# Altium PCB PCB1.PcbDoc (part 1 of 3)
Units mil, origin at the board's own origin, x right, y up, seen from the top; angles counter-clockwise.
Board outline 6000 x 4000 mil, 4 copper layers (Top Layer, Mid-Layer 1, Mid-Layer 2, Bottom Layer); 368 components, 202 nets, 969 pads, 330 vias.
Unrouted connection lines stored in the file: 67.
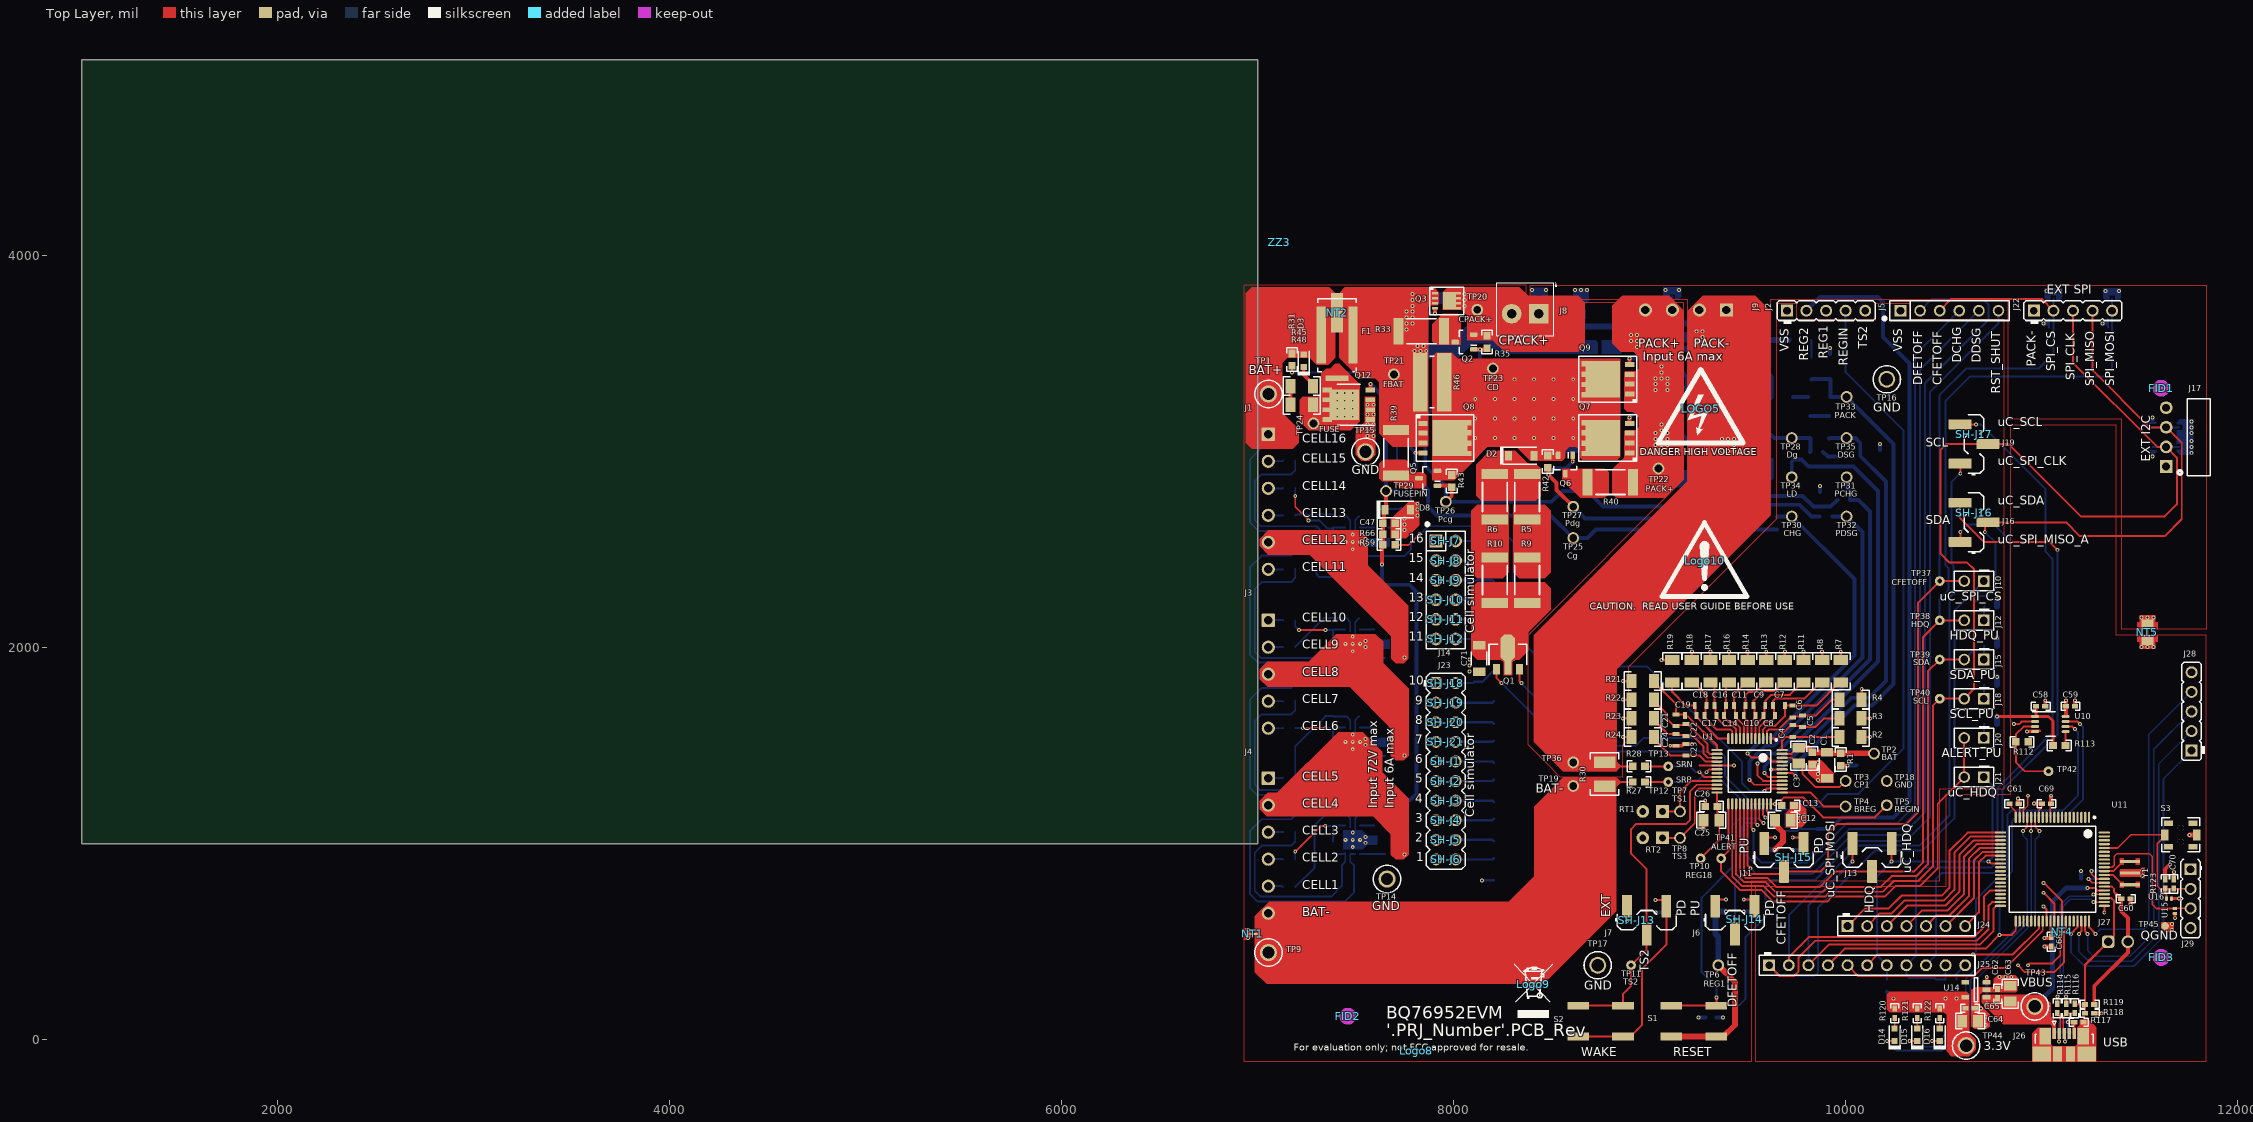
[diagram p0: Top Layer view]
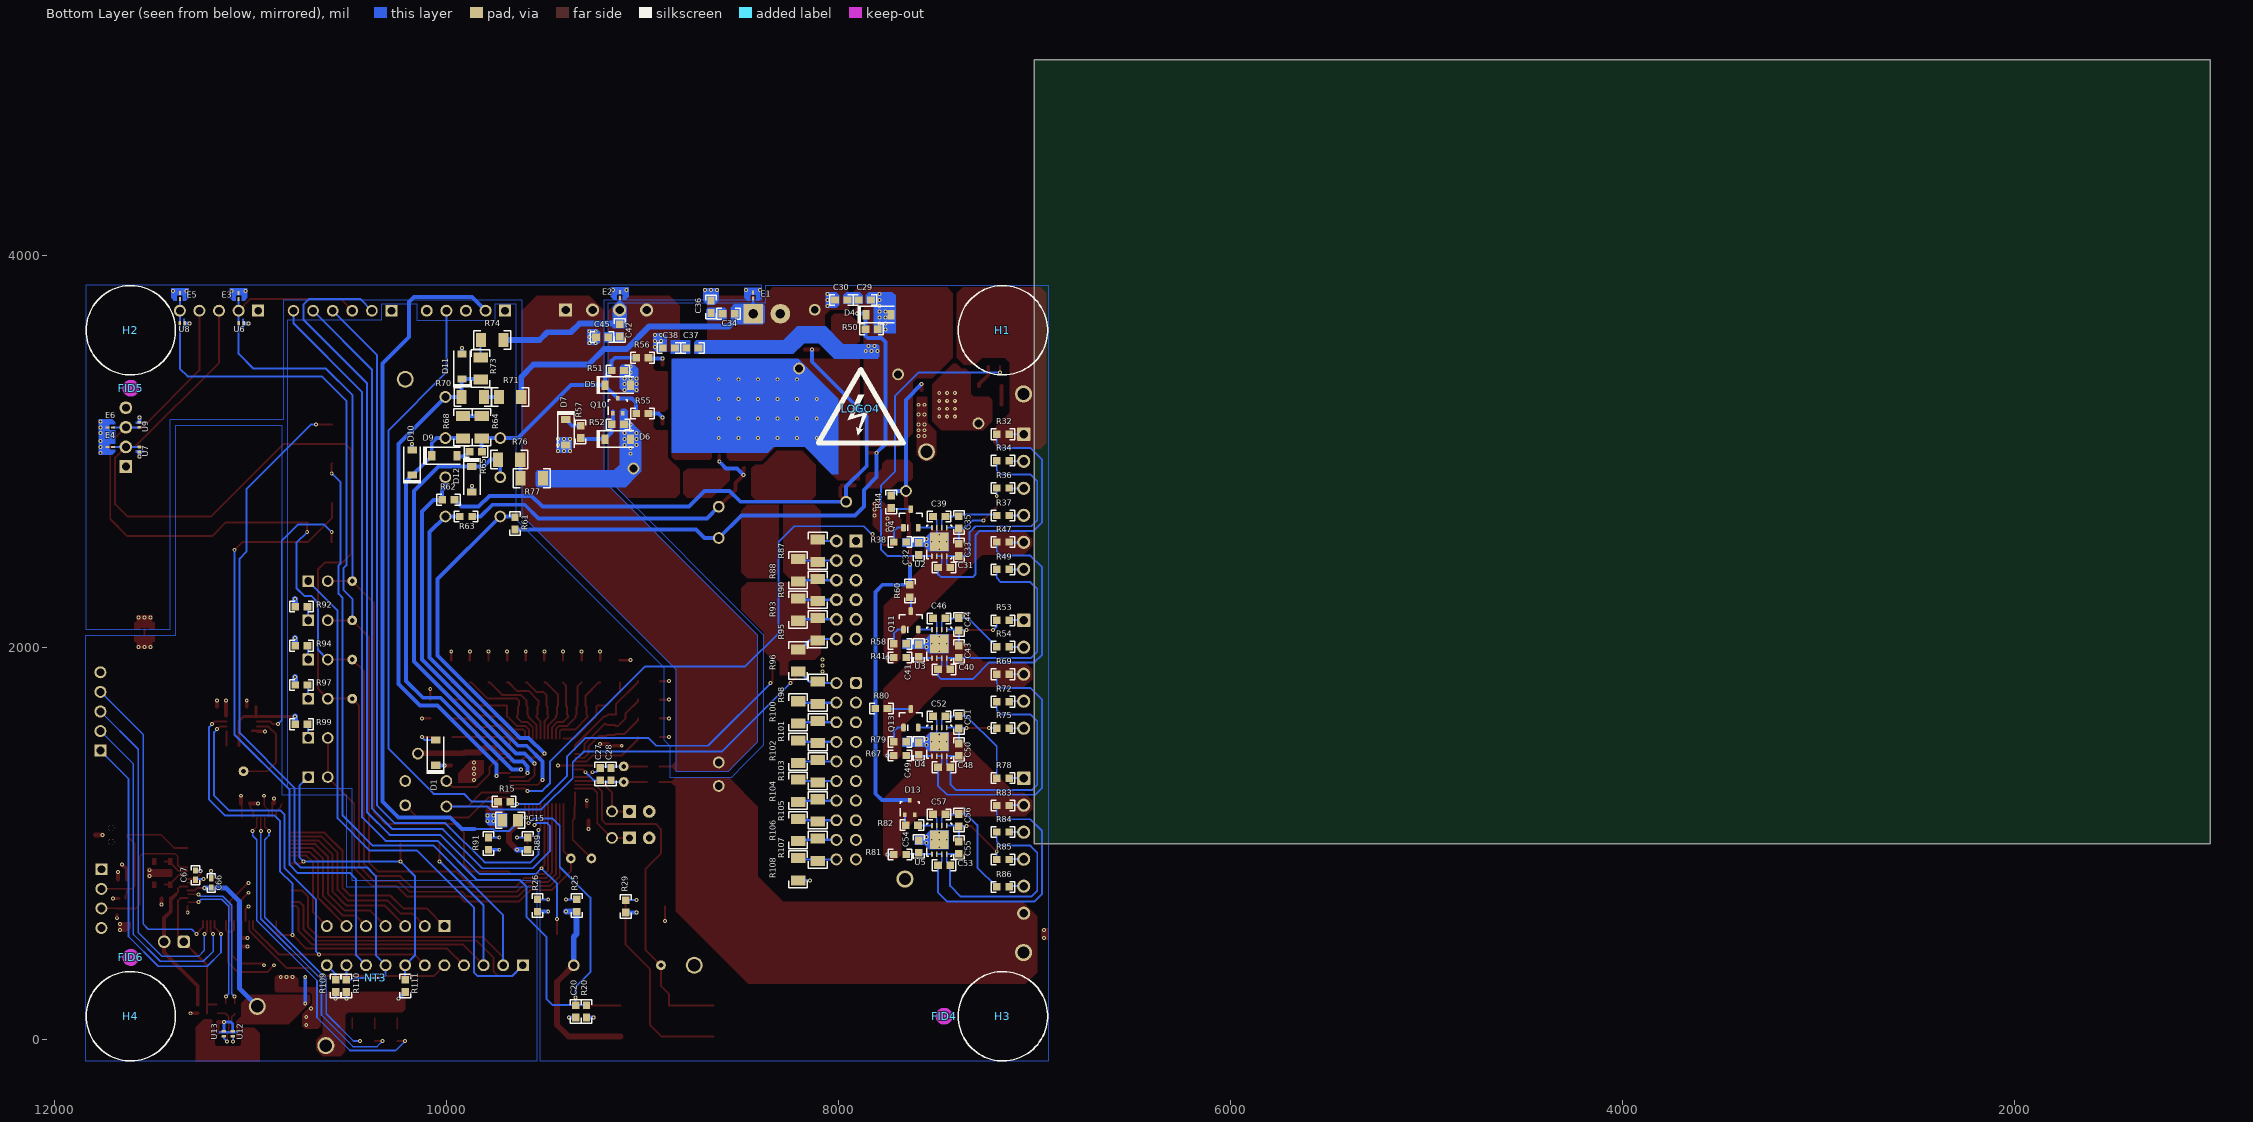
[diagram p1: Bottom Layer view, seen from below]
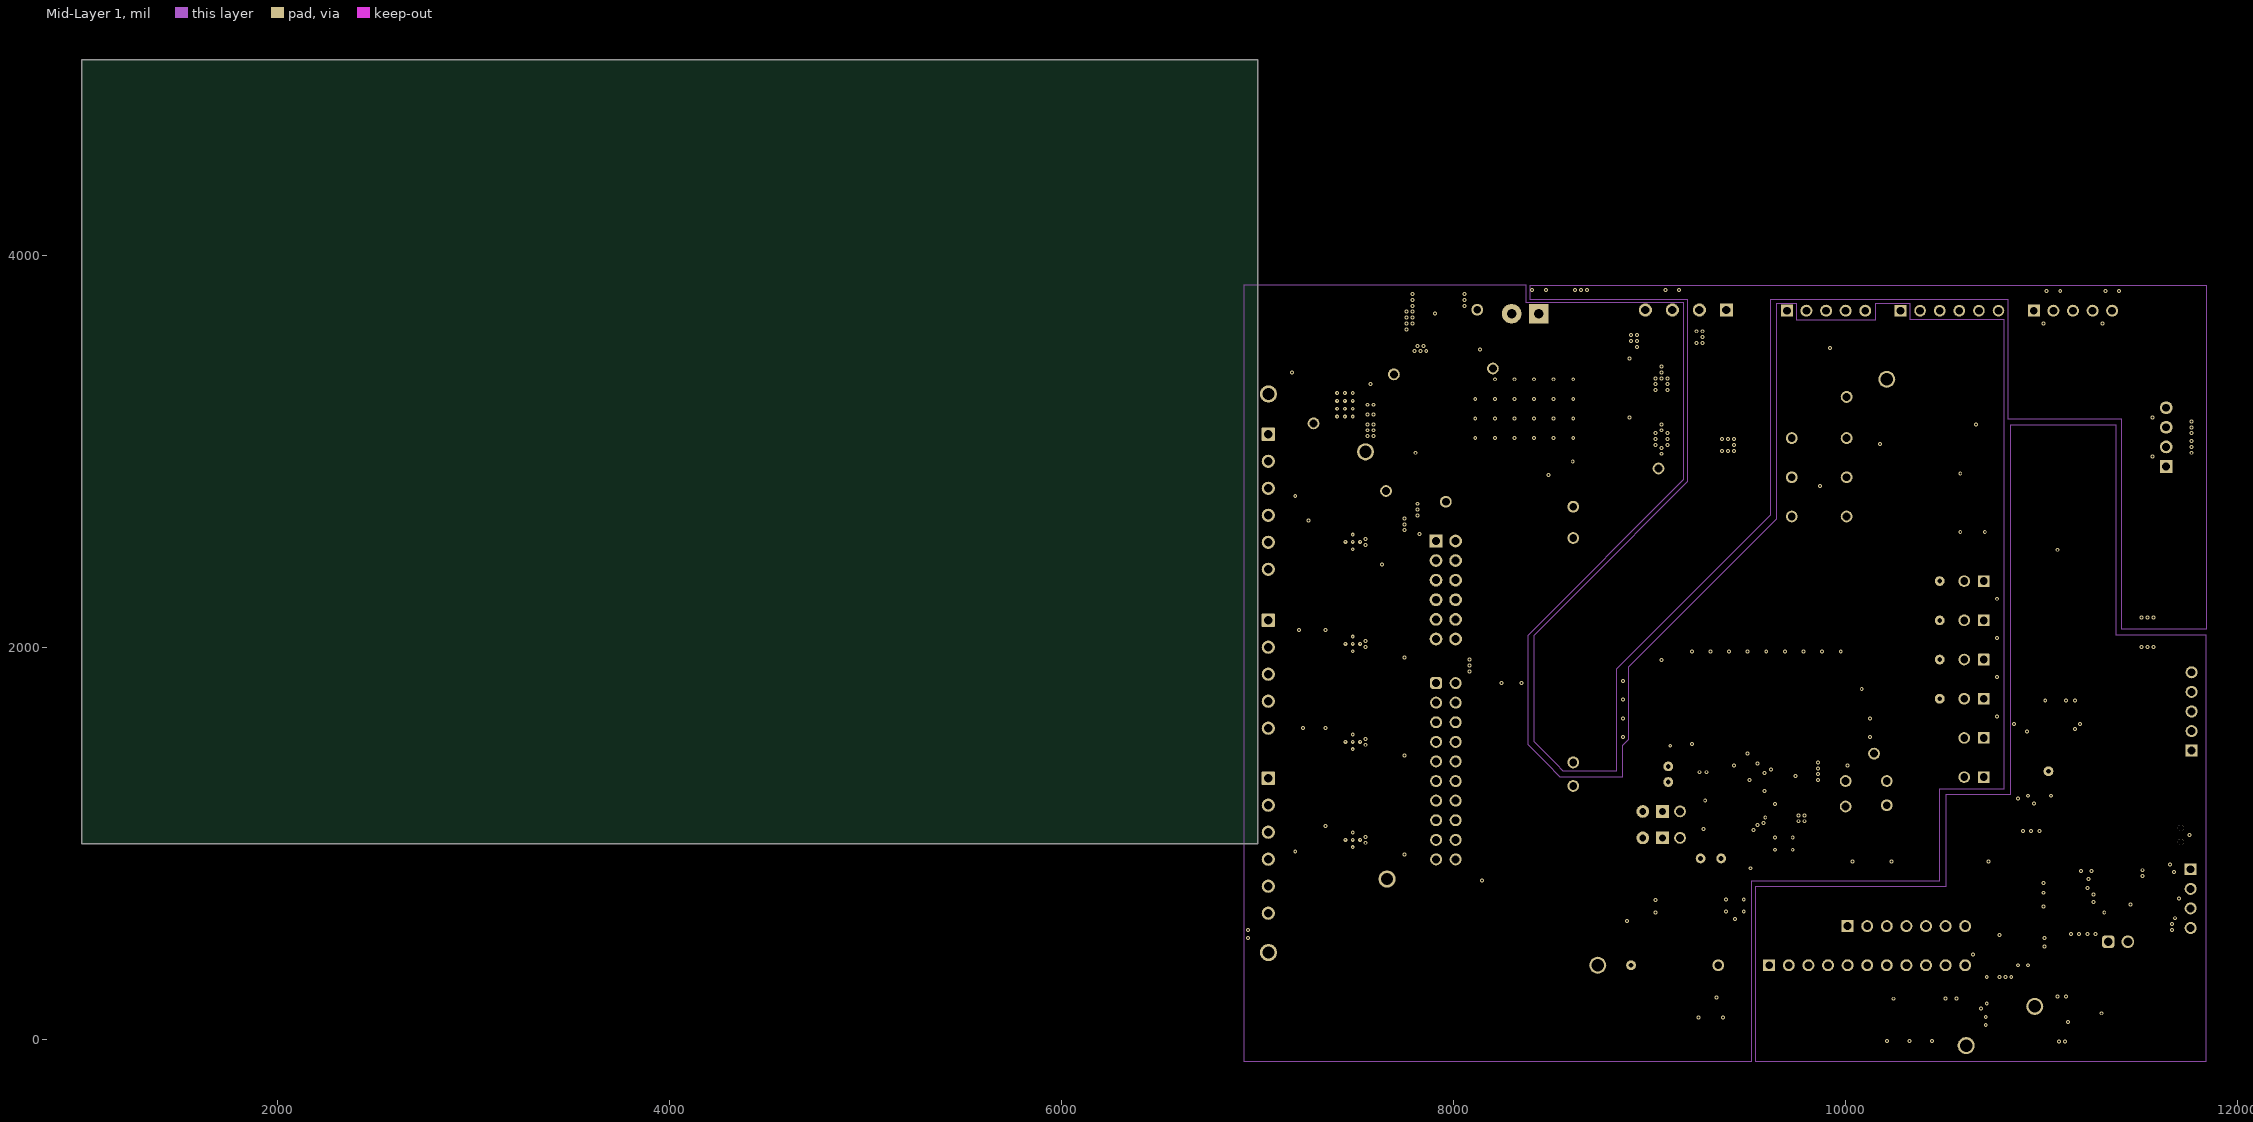
[diagram p2: Mid-Layer 1]
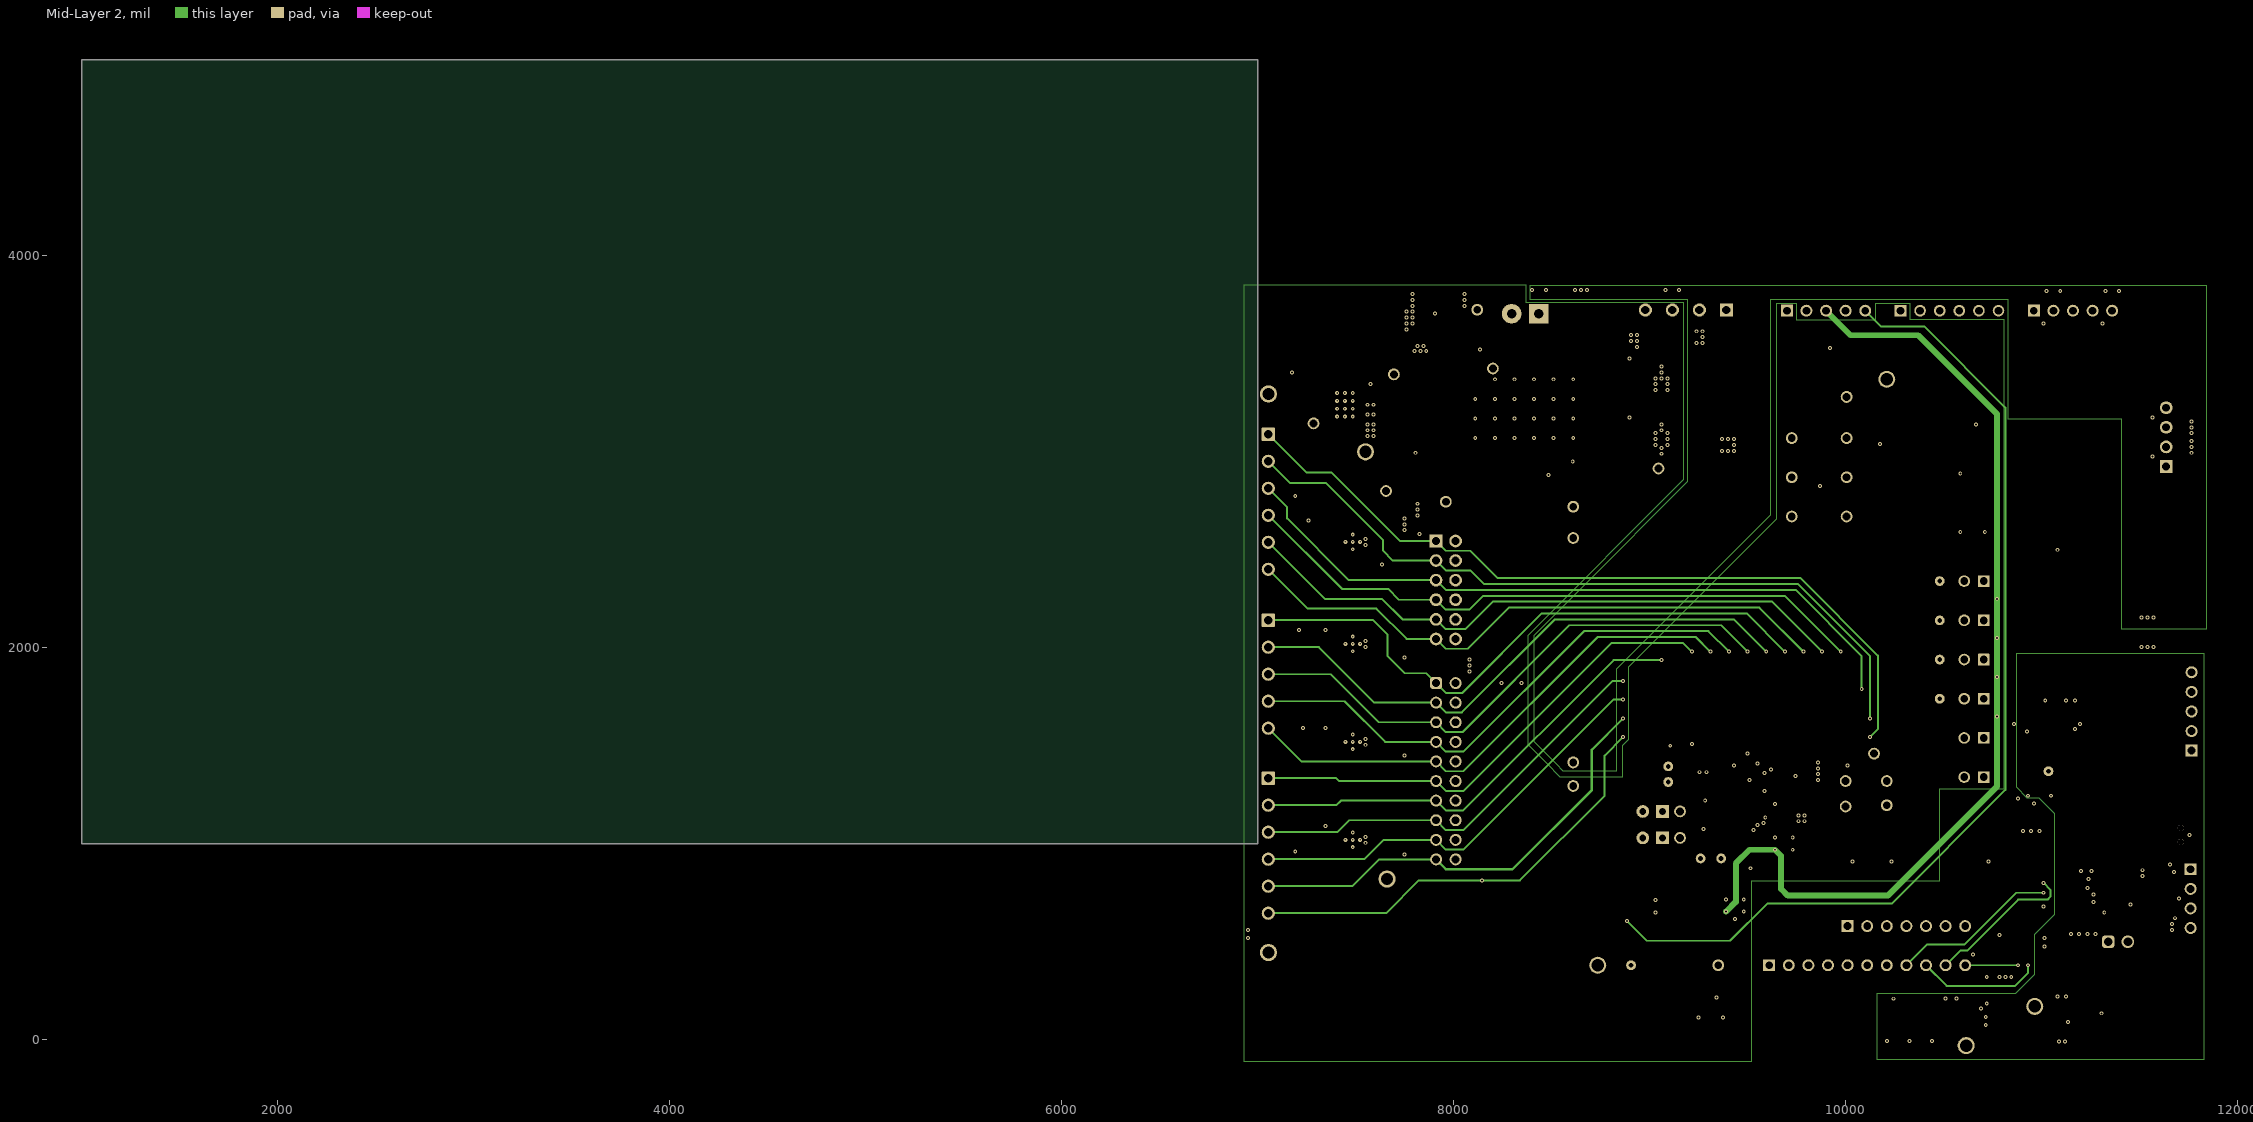
[diagram p3: Mid-Layer 2]

## Layer stack, top to bottom
Top Solder: solder mask 0.4, Solder Resist, Dk 3.5
Top Layer: signal copper 1.4
Dielectric 1: dielectric 12.6, FR-4, Dk 4.8
Mid-Layer 1: signal copper 1.4
Dielectric3: dielectric 12.6, FR-4, Dk 4.8
Mid-Layer 2: signal copper 1.4
Dielectric2: dielectric 12.6, FR-4, Dk 4.8
Bottom Layer: signal copper 1.4
Bottom Solder: solder mask 0.4, Solder Resist, Dk 3.5

## Board outline
1000,1000 7000,1000 7000,5000 1000,5000

## Design rules (kind name [scope] priority, off if disabled: settings)
Clearance [All] p1: gap=10 ignorepadtopadclearanceinfootprint=FALSE except(0: Arc-Hole Track-Hole SMDPad-Hole THPad-Hole Via-Hole Fill-Hole Poly-Hole Region-Hole Text-Hole)
PolygonConnect [All] p1: connectstyle=Relief reliefconductorwidth=10 reliefentries=4 polygonreliefangle="90 Angle" airgapwidth=10
RoutingVias [All] p1: holewidth=28 width=50 viastyle="Through Hole" minholewidth=28 minwidth=50 maxholewidth=28 maxwidth=50
SolderMaskExpansion [All] p1: expansion=4 istentingtop=FALSE
Width [All] p1: maxlimit=10 minlimit=10 preferedwidth=10
30 further rules are at their usual default settings.

## Classes and differential pairs
component class Shunt: SH-J1 SH-J2 SH-J3 SH-J4 SH-J5 SH-J6 SH-J7 SH-J8 SH-J9 SH-J10 SH-J11 SH-J12 SH-J13 SH-J14 SH-J15 SH-J16 SH-J17 SH-J18 SH-J19 SH-J20 SH-J21
component class Header: J2 J5 J6 J7 J10 J11 J12 J13 J14 J15 J16 J18 J19 J20 J21 J22 J23 J24 J25 J27 J28 J29
component class FiducialMark: FID1 FID2 FID3 FID4 FID5 FID6
component class BMS029B_PinConfig: E3 E4 E5 E6 J10 J11 J12 J13 J14 J15 J16 J17 J18 J19 J20 J21 J22 J23 R87 R88 R89 R90 R91 R92 R93 R94 R95 R96 R97 R98 R99 R100 R101 R102 R103 R104 R105 R106 R107 R108 TP37 TP38 TP39 TP40 TP41 U6 U7 U8 U9
component class BMS029B_Monitor: C1 C2 C3 C4 C5 C6 C7 C8 C9 C10 C11 C12 C13 C14 C15 C16 C17 C18 C19 C20 C21 C22 C23 C24 C25 C26 C27 C28 C71 D1 D2 J1 J2 J3 J4 J5 J6 J7 NT1 Q1 R1 R2 R3 R4 R5 R6 R7 R8 R9 R10 R11 R12 R13 R14 R15 R16 R17 R18 R19 R20 R21 R22 R23 R24 R25 R26 R27 R28 R29 R30 RT1 RT2 S1 S2 TP1 TP2 TP3 TP4 TP5 TP6 TP7 TP8 TP9 TP10 TP11 TP12 TP13 TP14 TP15 TP16 TP17 TP18 TP19 U1
component class BMS029B_Interface: C58 C59 C60 C61 C62 C63 C64 C65 C66 C67 C68 C69 C70 D14 D15 D16 J24 J25 J26 J27 J28 J29 NT3 NT4 NT5 R109 R110 R111 R112 R113 R114 R115 R116 R117 R118 R119 R120 R121 R122 R123 S3 TP42 TP43 TP44 TP45 U10 U11 U12 U13 U14 U15 U16 Y1
component class BMS029B_Hardware: !PCB1 FID1 FID2 FID3 FID4 FID5 FID6 H1 H2 H3 H4 LOGO4 LOGO5 Logo8 Logo9 Logo10 SH-J1 SH-J2 SH-J3 SH-J4 SH-J5 SH-J6 SH-J7 SH-J8 SH-J9 SH-J10 SH-J11 SH-J12 SH-J13 SH-J14 SH-J15 SH-J16 SH-J17 SH-J18 SH-J19 SH-J20 SH-J21 ZZ1 ZZ2 ZZ3
component class BMS029B_FETs: C29 C30 C31 C32 C33 C34 C35 C36 C37 C38 C39 C40 C41 C42 C43 C44 C45 C46 C47 C48 C49 C50 C51 C52 C53 C54 C55 C56 C57 D3 D4 D5 D6 D7 D8 D9 D10 D11 D12 D13 E1 E2 F1 J8 J9 NT2 Q2 Q3 Q4 Q5 Q6 Q7 Q8 Q9 Q10 Q11 Q12 Q13 R31 R32 R33 R34 R35 R36 R37 R38 R39 R40 R41 R42 R43 R44 R45 R46 R47 R48 R49 R50 R51 R52 R53 R54 R55 R56 R57 R58 R59 R60 R61 R62 R63 R64 R65 R66 R67 R68 R69 R70 R71 R72 R73 R74 R75 R76 R77 R78 R79 R80 R81 R82 R83 R84 R85 R86 TP20 TP21 TP22 TP23 TP24 TP25 TP26 TP27 TP28 TP29 TP30 TP31 TP32 TP33 TP34 TP35 TP36 U2 U3 U4 U5
component class AssemblyNote: ZZ1 ZZ2 ZZ3

## Components (designator, comment, footprint, x,y, rotation, side; value= is the part's Value field where it differs from the comment)
C1 "C3216X7R2A105K160AA" 1206_180 9905,1400 r270 top value=1uF
C2 "GCM1885C2A101JA16D" 0603 9830,1435 r270 top value=100pF
C3 "GCM219R71E474KA55D" 0805_HV 9760,1450 r270 top value=0.47uF
C4 "C1608X7R1H224K080AB" 0603S 9730,1575 r90 top value=0.22uF
C5 "C1608X7R1H224K080AB" 0603S 9780,1625 r90 top value=0.22uF
C6 "C1608X7R1H224K080AB" 0603S 9730,1675 r90 top value=0.22uF
C7 "C1608X7R1H224K080AB" 0603S 9660,1705 r180 top value=0.22uF
C8 "C1608X7R1H224K080AB" 0603S 9610,1655 r180 top value=0.22uF
C9 "C1608X7R1H224K080AB" 0603S 9560,1705 r180 top value=0.22uF
C10 "C1608X7R1H224K080AB" 0603S 9510,1655 r180 top value=0.22uF
C11 "C1608X7R1H224K080AB" 0603S 9460,1705 r180 top value=0.22uF
C12 "EMK212B7105KG-T" 0805_HV 9680,1120 r180 top value=1uF
C13 "C0603C223K4RACTU" 0603 9705,1195 r180 top value=0.022uF
C14 "C1608X7R1H224K080AB" 0603S 9410,1655 r180 top value=0.22uF
C15 "EMK212B7105KG-T" 0805_HV 9675,1120 r180 bottom value=1uF
C16 "C1608X7R1H224K080AB" 0603S 9360,1705 r180 top value=0.22uF
C17 "C1608X7R1H224K080AB" 0603S 9310,1655 r180 top value=0.22uF
C18 "C1608X7R1H224K080AB" 0603S 9260,1705 r180 top value=0.22uF
C19 "C1608X7R1H224K080AB" 0603S 9210,1655 r180 top value=0.22uF
C20 "885012206040" 0603 9340,145 r270 bottom value=0.01uF
C21 "C1608X7R1H224K080AB" 0603S 9135,1630 r270 top value=0.22uF
C22 "C1608X7R1H224K080AB" 0603S 9185,1580 r270 top value=0.22uF
C23 "C1608X7R1H224K080AB" 0603S 9185,1480 r90 top value=0.22uF
C24 "C1608X7R1H224K080AB" 0603S 9135,1530 r270 top value=0.22uF
C25 "EMK212B7225KG-T" 0805_HV 9315,1120 r0 top value=2.2uF
C26 "885012206040" 0603 9315,1190 r180 top value=0.01uF
C27 "C0603C101J5GACTU" 0603 9215,1355 r270 bottom value=100pF
C28 "885012206095" 0603 9160,1355 r90 bottom value=0.1uF
C29 "GCJ188R72A104KA01D" 0603 7865,3775 r180 bottom value=0.1uF
C30 "GCJ188R72A104KA01D" 0603 7985,3775 r180 bottom value=0.1uF
C31 "885012206095" 0603 7460,2410 r0 bottom value=0.1uF
C32 "885012206095" 0603 7590,2505 r270 bottom value=0.1uF
C33 "885012206095" 0603 7385,2500 r270 bottom value=0.1uF
C34 "GCJ188R72A104KA01D" 0603 8560,3704.5 r0 bottom value=0.1uF
C35 "885012206095" 0603 7385,2640 r270 bottom value=0.1uF
C36 "GCJ188R72A104KA01D" 0603 8650,3740 r90 bottom value=0.1uF
C37 "GCJ188R72A104KA01D" 0603 8745,3530 r180 bottom value=0.1uF
C38 "GCJ188R72A104KA01D" 0603 8865,3530 r180 bottom value=0.1uF
C39 "885012206095" 0603 7485,2670 r180 bottom value=0.1uF
C40 "885012206095" 0603 7460,1890 r0 bottom value=0.1uF
C41 "885012206095" 0603 7590,1985 r270 bottom value=0.1uF
C42 "GCJ188R72A104KA01D" 0603 9115,3620 r270 bottom value=0.1uF
C43 "885012206095" 0603 7385,1980 r270 bottom value=0.1uF
C44 "885012206095" 0603 7385,2120 r270 bottom value=0.1uF
C45 "GCJ188R72A104KA01D" 0603 9205,3585 r0 bottom value=0.1uF
C46 "885012206095" 0603 7485,2150 r180 bottom value=0.1uF
C47 "885012206095" 0603 7670,2635 r180 top value=0.1uF
C48 "885012206095" 0603 7460,1390 r0 bottom value=0.1uF
C49 "885012206095" 0603 7590,1485 r270 bottom value=0.1uF
C50 "885012206095" 0603 7385,1480 r270 bottom value=0.1uF
C51 "885012206095" 0603 7385,1620 r270 bottom value=0.1uF
C52 "885012206095" 0603 7485,1650 r180 bottom value=0.1uF
C53 "885012206095" 0603 7460,890 r0 bottom value=0.1uF
C54 "885012206095" 0603 7590,985 r270 bottom value=0.1uF
C55 "885012206095" 0603 7385,980 r270 bottom value=0.1uF
C56 "885012206095" 0603 7385,1120 r270 bottom value=0.1uF
C57 "885012206095" 0603 7485,1150 r180 bottom value=0.1uF
C58 "885012205037" 0402 10995,1701 r180 top value=0.1uF
C59 "885012205037" 0402 11147,1701 r180 top value=0.1uF
C60 "885012205037" 0402 11430,720 r0 top value=0.1uF
C61 "Capacitor" 0402 10860,1205 r0 top value=0.47uF
C62 "885012205037" 0402 10775,235 r90 top value=0.1uF
C63 "CL21A106KOQNNNG" 0805_HV 10840,235 r90 top value=10uF
C64 "CL21A106KOQNNNG" 0805_HV 10635,95 r0 top value=10uF
C65 "885012205037" 0402 10635,160 r0 top value=0.1uF
C66 "885012205037" 0402 11200,800 r90 bottom value=0.1uF
C67 "Capacitor" 0402 11280,840 r90 bottom value=0.47uF
C68 "885012205037" 0402 11050,500 r270 top value=0.1uF
C69 "Capacitor" 0402 11025,1205 r180 top value=0.47uF
C70 "885012205008" 0402 11675,795 r90 top value=2200pF
C71 "C3216X7R2A105K160AA" 1206_180 8130,1945 r270 top value=1uF
D1 "BAT46W-7-F" SOD-123 10055,1465 r90 bottom value=100V
D2 "BAT46W-7-F" SOD-123 8345,2980 r0 top value=100V
D3 "150060RS75000" WL-SMCW_RED 7235,3465 r90 top value=Red
D4 "MMSZ5246B-7-F" SOD-123 7795,3700 r180 bottom value=16V
D5 "MMSZ5246B-7-F" SOD-123 9125,3340 r180 bottom value=16V
D6 "MMSZ5246B-7-F" SOD-123 9125,3065 r180 bottom value=16V
D7 "1N4148W-7-F" SOD-123 9390,3100 r270 bottom value=100V
D8 "MMSZ4697T1G" SOD-123 7715,2705 r0 top value=10V
D9 "BAT46W-7-F" SOD-123 10010,2980 r180 bottom value=100V
D10 "BAT46W-7-F" SOD-123 10175,2945 r90 bottom value=100V
D11 "BAT46W-7-F" SOD-123 9920,3435 r90 bottom value=100V
D12 "BAT46W-7-F" SOD-123 9870,2860 r270 bottom value=100V
D13 "BAS40W-7-F" SOT-323 7635,1185 r90 bottom value=40V
D14 "150060VS75000" WL-SMCW_GREEN 10250,25 r90 top value=Green
D15 "150060VS75000" WL-SMCW_GREEN 10365,25 r90 top value=Green
D16 "150060VS75000" WL-SMCW_GREEN 10480,25 r90 top value=Green
E1 "Spark Gap" SPARK_GAP2 8435,3802 r0 bottom
E2 "Spark Gap" SPARK_GAP2 9115,3805 r0 bottom
E3 "Spark Gap" SPARK_GAP2 11060,3800 r0 bottom
E4 "Spark Gap" SPARK_GAP2 11720,3025 r270 bottom
E5 "Spark Gap" SPARK_GAP2 11360,3800 r0 bottom
E6 "Spark Gap" SPARK_GAP2 11720,3125 r270 bottom
F1 "SFK-3030" FUSE_SFK-xx30x 7405,3595 r90 top
FID1 "Fiducial" Fiducial10-20 11610,3324.34 r0 top
FID2 "Fiducial" Fiducial10-20 7460,120 r0 top
FID3 "Fiducial" Fiducial10-20 11610,420 r0 top
FID4 "Fiducial" Fiducial10-20 7460,120 r180 bottom
FID5 "Fiducial" Fiducial10-20 11610,3324.34 r180 bottom
FID6 "Fiducial" Fiducial10-20 11610,420 r180 bottom
H1 "SJ-5303 (CLEAR)" Bumpon_SJ5003Transparent 7160,3620 r180 bottom
H2 "SJ-5303 (CLEAR)" Bumpon_SJ5003Transparent 11610,3620 r180 bottom
H3 "SJ-5303 (CLEAR)" Bumpon_SJ5003Transparent 7160,120 r180 bottom
H4 "SJ-5303 (CLEAR)" Bumpon_SJ5003Transparent 11610,120 r180 bottom
J1 "OSTTE060161" FP-OSTTE060161_HDR6-MFG 7050,2745 r270 top
J2 "PEC05SAAN" Sullins_PxC05SAAN 9900,3720 r0 top
J3 "OSTTE050161" FP-OSTTE050161_HDR5-MFG 7050,1865 r270 top
J4 "OSTTE060161" FP-OSTTE060161_HDR6-MFG 7050,990 r270 top
J5 "PEC06SAAN" Sullins_PEC06SAAN 10530,3720 r0 top
J6 "87898-0304" Molex_87898-0304 9435,610 r0 top
J7 "87898-0304" Molex_87898-0304 8985,610 r0 top
J8 "ED555/2DS" TERM_BLK_ED555-2DS 8434.01,3704.5 r180 top
J9 "OSTTE040161" FP-OSTTE040161_HDR4-MFG 9185.01,3727.5 r180 top
J10 "PEC02SAAN" CONN_PEC02SAAN 10655,2340 r180 top
J11 "87898-0304" Molex_87898-0304 9685,930 r0 top
J12 "PEC02SAAN" CONN_PEC02SAAN 10655,2140 r180 top
J13 "87898-0304" Molex_87898-0304 10135,930 r0 top
J14 "PEC06DAAN" CONN_PEC06DAAN 7960,2295 r270 top
J15 "PEC02SAAN" CONN_PEC02SAAN 10655,1940 r180 top
J16 "87898-0304" Molex_87898-0304 10655,2640 r90 top
J17 "22/05/3041" CONN_22-05-3041 11860,3075 r90 top
J18 "PEC02SAAN" CONN_PEC02SAAN 10655,1740 r180 top
J19 "87898-0304" Molex_87898-0304 10655,3040 r90 top
J20 "PEC02SAAN" CONN_PEC02SAAN 10655,1540 r180 top
J21 "PEC02SAAN" CONN_PEC02SAAN 10655,1340 r180 top
J22 "PEC05SAAN" Sullins_PxC05SAAN 11160,3720 r0 top
J23 "PEC10DAAN" SULLINS_PEC10DAAN 7960,1370 r0 top
J24 "PBC07SAAN" Sullins_xxC07SAAN 10310,580 r0 top
J25 "PBC11SAAN" Sullins_xxC11SAAN 10110,380 r0 top
J26 "CONN_USB_5Pos-6Shld" Molex_47346-1001 11115,-130 r0 top
J27 "61300211121" WURTH_61300211121 11390,500 r0 top
J28 "PEC05SAAN" Sullins_PxC05SAAN 11765,1675 r90 top
J29 "22284043" Molex_0022284043 11760,720 r270 top
LOGO4 "DANGER HIGH VOLTAGE" IEC_HighVoltage_Medium 7885,3220 r180 bottom
LOGO5 "DANGER HIGH VOLTAGE" IEC_HighVoltage_Medium 9260,3220 r0 top locked
Logo8 "FCC disclaimer" FCC_disclaimer 7810,-55 r0 top
Logo9 "WEEE logo" WEEE_Minimum 8405.16,284.26 r0 top
Logo10 "CAUTION.  READ USER GUIDE BEFORE USE" IEC_Caution_Medium 9280,2445 r0 top
NT1 "Net-Tie" Net-Tie_10milWide_30milLong 6975,540 r0 top net-tie
NT2 "Net-Tie" Net-Tie_50milWide_30milLong 7405,3710 r180 top net-tie
NT3 "Net-Tie" Net-Tie_10mil 10360,315 r0 bottom net-tie
NT4 "Net-Tie" Net-Tie_10mil 11105,550 r0 top net-tie
NT5 "Net-Tie" Net-Tie_0805_HV_NoOverlay 11540,2080 r90 top net-tie
Q1 "FCX495TA" SOT-89-3 8276.65,1965 r90 top value="150 V"
Q2 "SI2325DS-T1-E3" SOT-23 8055,3560 r180 top value=-150V
Q3 "BSZ900N15NS3 G" PG-TSDSON-8 7965,3770 r0 top value=150V
Q4 "MMBT5401LT1G" SOT-23 7630,2660 r90 bottom value="150 V"
Q5 "SI2325DS-T1-E3" SOT-23 7870,2865 r180 top value=-150V
Q6 "SI2325DS-T1-E3" SOT-23 8570,2935 r270 top value=-150V
Q7 "BSC160N15NS5ATMA1" PG-TDSON-8 8786.57,3070 r180 top value=150V
Q8 "BSC160N15NS5ATMA1" PG-TDSON-8 7955,3070 r0 top value=150V
Q9 "BSC160N15NS5ATMA1" PG-TDSON-8 8786.57,3370 r180 top value=150V
Q10 "MOSFET_N_D3G1S2" SOT-323 9125,3235 r90 bottom value=60V
Q11 "MMBT5401LT1G" SOT-23 7630,2140 r90 bottom value="150 V"
Q12 "SI7898DP-E3" PowerPAK_SO-8 7465,3240 r180 top value=150V
Q13 "MMBT5401LT1G" SOT-23 7630,1640 r90 bottom value="150 V"
R1 "Resistor" 0603 9975,1430 r270 top value=100
R2 "CRCW120620R0FKEA" 1206 10025,1545 r180 top value=20.0